# KiCad board gnss_card_rev1.kicad_pcb (continued)
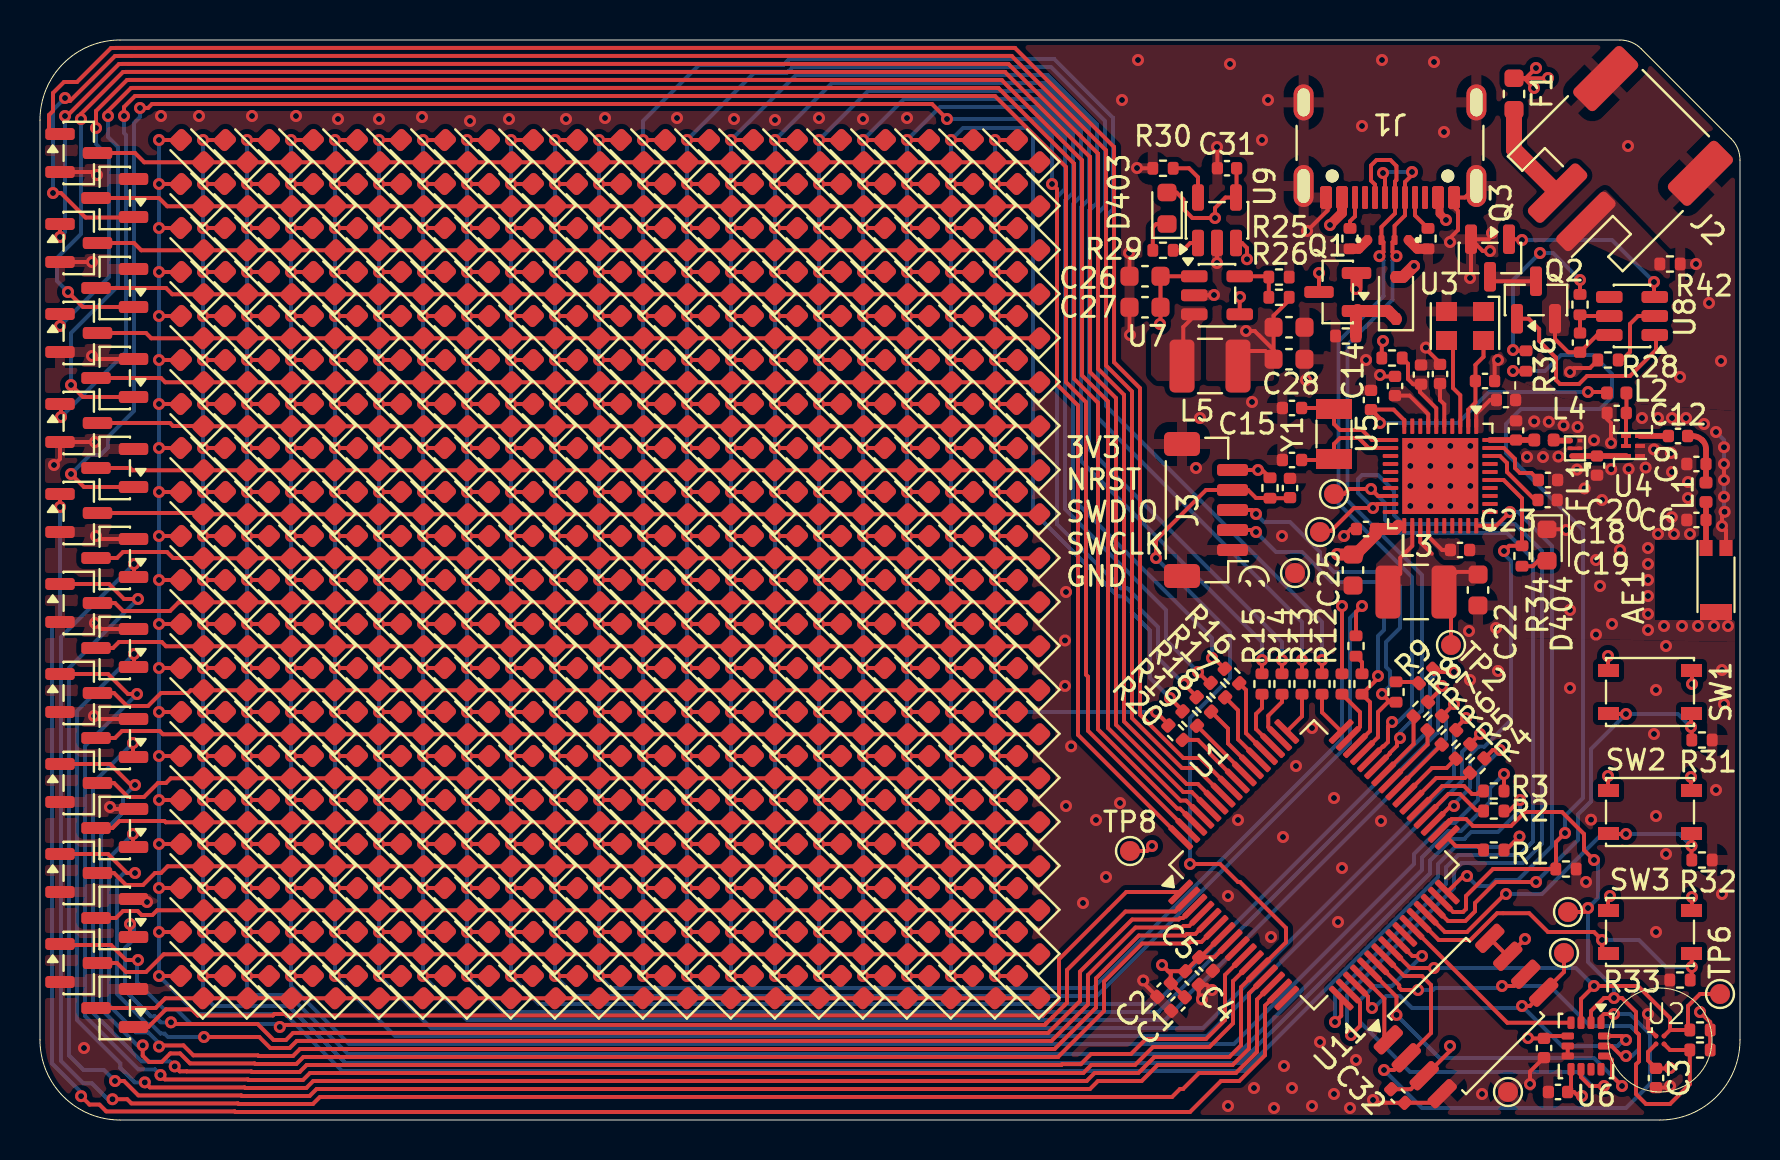
[diagram p0: board, top side]
## Via types (continued)
v1: diameter 0.6, hole 0.3, Top to Bottom, 730 vias

## Routing (per net, layer and track width the routed paths; a pad name or vN(x,y) marks a point on that pad's centre or on a via; arc(x,y) is an arc through that point)
+3V3: length 155.5
  Top w0.2: SW2.1 82.55,16.5 v1(82.55,17.15) ; R25.2 62.46,41 61.67,40.21 C29.2 C28.2 ; SW2.1 78.4,16.5 v1(78.4,17.2) ; C5.1 58.02,8.14 U1.7 ; C5.1 58.72,8.14 U1.8 ; C5.1 C4.1 56.41,7.44 v1(56.1,7.75) 56.54,7.31 C2.1 C1.1 ; SW3.1 82.6,10.5 v1(82.6,11.15) ; v1(83,5.4) 83.51,4.89 R35.1 R38.1 ; v1(74.4,4.1) 74.42,4.08 C33.1 75.32,4.2 U6.5 ; SW3.1 78.4,10.5 78.4,11.1 v1(78.5,11.2) ; v1(82.6,21.8) 82.6,22.45 82.58,22.48 ; 67.91,29.71 U5.21 ; v1(74.25,9.05) 73.39,8.19 U11.7 U11.8 ; C28.2 61.67,38.51 60.74,39.45 v1(60.3,39.45) ; C28.2 61.26,38.45 60.16,38.45 59.9,38.19 L5.2 ; 78.42,22.48 78.4,22.5 v1(78.4,23.2) ; v1(81.5,2.6) 81.48,2.58 C3.1 80.4,2.98 80.4,3.4 U2.B1 ; C25.1 65.67,28.27 ; TP8.1 55.35,13.45 v1(55.6,13.7) ; U6.8 76.55,1.57 C34.1 76.7,1.4 76.9,1.2 v1(77.1,1.2) ; J3.5 61.11,32.5 R39.1 ; v1(67.15,38.95) 67.09,38.89 R21.2 ; v1(64.85,28.3) 64.88,28.27 ; C32.1 68.54,1.54 U11.3 69.26,2.21 70.5,3.45 v1(70.5,3.7) ; 66.78,29.38 C21.1
  Top w0.6: 65.78,28.27 66.78,29.28 C21.1 67.75,29.55 67.91,29.71 ; 64.88,28.27 C25.1
  Top w0.8: 65.67,28.27 65.78,28.27
  In2.Cu w0.2: 69.95,23.6 65.25,28.3 v1(64.85,28.3) 64.55,28.6 64.55,30.2 64.5,30.25 64.5,31.3 69.05,35.85 ; 69.95,23.6 70.35,23.2 v1(78.4,23.2) ; 69.95,23.6 69.95,23.15 56.1,9.3 v1(56.1,7.75) ; v1(78.4,23.2) 80.5,23.2 81.25,22.45 81.95,22.45 v1(82.6,21.8) ; v1(78.4,23.2) v1(78.4,17.2) ; v1(67.15,38.95) 66.55,39.55 60.4,39.55 v1(60.3,39.45) ; v1(78.5,11.2) 78.45,11.25 76.1,11.25 74.25,9.4 v1(74.25,9.05) 69.95,4.75 69.95,4.25 v1(70.5,3.7) 71,3.7 72.2,4.9 ; v1(78.5,11.2) 78.55,11.25 82.5,11.25 v1(82.6,11.15) ; v1(78.5,11.2) 78.4,11.3 v1(78.4,17.2) ; 77.1,1.4 v1(77.1,1.2) ; v1(78.4,17.2) 82.5,17.2 v1(82.55,17.15)
  In2.Cu w0.8: v1(81.5,2.6) 81.5,3.9 v1(83,5.4) 83,5.5 78.4,10.1 78.4,11.1 v1(78.5,11.2) ; 77.1,1.4 v1(74.4,4.1) 73.6,4.9 72.2,4.9
  vias: v1(60.9,32.5)
GND: length 60.8
  Top w0.18: FL1.5 FL1.2
  Top w0.2: C31.2 58.87,48.63 v1(58.85,48.65) ; v1(2.6,38.2) 2.75,38.05 Q9.2 ; v1(65.2,29.2) 65.55,29.55 C21.2 ; v1(54.85,47.6) 54.86,47.59 R30.2 ; C33.2 74.5,2.42 v1(74.5,1.8) ; v1(2.75,33.9) Q10.2 1,33.05 v1(0.7,32.75) ; v1(2.8,29.2) 2.95,29.05 Q13.2 ; v1(5.35,10.9) 5.2,11.05 Q21.2 ; D404.1 76.26,29.54 v1(76.3,29.5) ; Q3.2 72.44,44.04 72.6,44.2 v1(72.6,44.35) ; Q3.2 72.14,43.45 v1(72.5,43.45) ; Q3.2 71.55,42.15 v1(71.5,42.1) ; C27.1 54.48,39.27 v1(54.5,39.25) ; U6.6 U6.7 ; v1(2.85,47.25) 2.7,47.4 Q4.2 ; J1.S1 71.25,46.12 J1.A1 70.7,46.1 70.78,46.02 70.78,45.57 70.9,45.45 70.9,44.5 70.5,44.1 v1(70.5,43.9) ; v1(2.7,20.2) 2.85,20.05 Q17.2 ; Q19.2 3.6,15.55 v1(3.5,15.65) ; v1(76.5,37.4) 76.7,37.6 77.5,37.6 77.89,37.99 R28.1 ; v1(84.23,30.41) 84.1,30.28 v1(84.1,29.7) 84.3,29.5 AE1.2 ; v1(2.75,24.85) 3.05,24.55 Q15.2 ; v1(78.55,33.85) 78.55,34.85 78.36,35.05 78.36,35.35 ; C3.2 81.42,1.62 v1(81.5,1.7) ; 69,37.81 68.99,37.81 ; v1(58.6,6.5) 58.34,6.76 C4.2 57.94,6.19 v1(58.1,6.03) ; v1(66.65,1) 66.79,0.86 C32.2 69.65,0.86 U11.4 ; v1(58.7,41.25) 58.69,41.24 U7.2 ; C8.1 72.73,37.83 v1(72.9,38) ; U9.2 v1(58.85,42.85) ; v1(84.2,32) v1(84.2,32.8) ; U2.A1 80.4,4.6 v1(80.4,5.3) ; C26.1 54.48,43.33 v1(54.45,43.35) ; v1(69.3,38.62) 69.3,38.55 70,37.85 C7.2 ; C11.1 67.07,37.18 v1(67,37.25) ; v1(63.35,44.45) 64.38,45.48 64.38,46.02 64.3,46.1 J1.A12 ; Q6.2 v1(2.6,42.9) ; C2.2 55.16,6.86 v1(55.16,6.98) 55.18,7 55.2,7
  Top w0.5: R23.2 68.87,43.56 D401.1 ; R22.2 65.93,43.56 D402.1
  Bottom w0.2: v1(84.2,32.8) v1(84.2,33.64) 84.2,34 v1(83.8,34.4) ; v1(84.23,30.41) 84.2,30.44 v1(84.2,31.16) v1(84.2,32)
  vias: v1(2.2,3.6) v1(6.05,50.2) v1(7.95,50.2) v1(10.6,50.2) v1(12.8,50.2) v1(14.9,50.05) v1(16.95,50.05) v1(19.1,50.15) v1(21.5,49.95) v1(23.45,50.05) v1(26.3,50.05) v1(28.25,50.1) v1(31.85,50.1) v1(34.7,50.05) v1(36.75,50) v1(38.95,50.1) v1(41.15,50.05) v1(43.35,50.1) v1(51.25,23.98) v1(51.25,21.7) v1(51.3,26.4) v1(51.3,15.7) v1(51.55,18.68) v1(52.15,10.85) v1(52.8,15) v1(53.3,12.15) v1(54,15.85) v1(54.1,51) v1(54.9,53) v1(57.8,32.6) v1(58,35.1) v1(59.4,11.2) v1(59.4,0.7) v1(59.5,52.8) v1(59.9,15) v1(60.6,35.9) v1(60.7,1.6) v1(61.1,49) v1(61.4,51) v1(61.55,9.15) v1(61.7,0.6) v1(62.1,29.2) v1(62.15,14.15) v1(62.2,2.7) v1(62.6,1.6) v1(62.8,17.7) v1(63.3,37) v1(63.6,19.6) v1(63.6,0.7) v1(64,3.9) v1(64.7,16.1) v1(64.7,1.3) v1(64.9,9.9) v1(65.1,12.6) v1(65.5,0.6) v1(65.8,3) v1(66.1,49.7) v1(66.3,38) v1(67.05,14.95) v1(67.1,53) v1(68.52,33.7) v1(68.52,32.7) v1(68.52,31.7) v1(68.52,30.7) v1(69.52,33.7) v1(69.52,32.7) v1(69.52,31.7) v1(69.52,30.7) v1(69.7,52.9) v1(70.2,49.4) v1(70.52,33.7) v1(70.52,32.7) v1(70.52,31.7) v1(70.52,30.7) v1(71.52,33.7) v1(71.52,32.7) v1(71.52,31.7) v1(71.52,30.7) v1(71.45,24.45) v1(71.5,22) v1(72.1,1.3) v1(72.8,24.6) v1(72.9,22.45) v1(74.35,33.15) v1(74.71,34.93) v1(75.15,33.15) v1(75.44,34.91) v1(75.92,33.17) v1(76.18,34.73) v1(76.5,25.5) v1(76.5,21.6) v1(76.85,32.52) v1(76.88,34.65) v1(77.23,31.58) v1(77.3,11.9) v1(77.55,15.02) v1(77.7,33.99) v1(77.8,28) v1(77.8,24.27) v1(78,26.7) v1(78.1,31) v1(78.56,32.54) v1(78.6,24.8) v1(79,28.5) v1(79.4,48.7) v1(79.43,32.55) v1(80.1,35.1) v1(80.28,32.62) v1(80.4,28.6) v1(80.4,27.8) v1(80.4,27) v1(80.4,26.2) v1(80.4,25.3) v1(80.4,24.5) v1(80.7,33.53) v1(80.7,19.3) v1(80.8,21.5) v1(80.8,15.2) v1(80.8,9.4) v1(80.9,35.1) v1(80.9,29.3) v1(81.2,24.7) v1(81.3,23.7) v1(81.3,13.3) v1(81.55,33.35) v1(81.6,35.1) v1(81.6,32.4) v1(81.59,30.14) v1(81.7,29.3) v1(82,37.15) v1(82.1,24.7) v1(82.3,35.1) v1(82.4,31.9) v1(82.4,31.1) v1(82.5,29.3) v1(82.8,42.8) v1(82.9,24.7) v1(83.2,34.8) v1(83.45,40.85) v1(83.7,24.7) v1(83.8,16.5) v1(84.05,37.95) v1(84.1,22.5) v1(84.1,11.3) v1(84.2,20.8) v1(84.4,24.7)
VBUS: length 19.8
  Top w0.2: C31.1 59.83,46.16 59.8,46.12 59.27,46.12 58.75,45.6 v1(58.75,45.1) 57.62,45.1 57.17,45.55 57.17,46.03 56.82,46.38 D403.2
  Top w0.4: v1(70.3,45) 69.98,45.32 69.98,46.02 69.9,46.1 J1.A4
  Top w0.5: J1.A9 65.1,45.35 v1(64.5,44.75)
  Top w0.6: D405.2 68.15,42.15 v1(68.7,42.7)
  In2.Cu w0.2: v1(70.3,45) 64.8,45 64.65,44.85 64.6,44.85 v1(64.5,44.75) 64.55,44.8 64.55,45.05 64.5,45.1
  In2.Cu w0.6: v1(68.7,42.7) 68.7,43.4 v1(70.3,45)
1PPS: length 21
  Top w0.2: v1(73.2,28.45) 73.46,28.71 R34.2 74.1,31.08 73.18,32 U5.35 ; U1.35 70.53,15.7 v1(70.7,15.7)
  Bottom w0.2: v1(70.7,15.7) 70.7,15.8 71.5,16.6 71.5,18.23 71.93,18.67 72.22,18.67 73.55,20 73.55,27.95 73.2,28.3 v1(73.2,28.45)
+BATT: length 37.3
  Top w0.2: v1(75.4,52.1) 75.39,52.09 F1.2 ; F1.2 74.21,52.09 v1(74.7,51.6) ; F1.2 74.29,52.09 v1(74.8,52.6) ; Q1.3 v1(63.95,42.35) ; v1(60.35,43.04) 60.35,43.6 60.1,43.85 U9.3 ; R36.1 73.69,38.46 v1(73.65,38.5) ; R27.1 v1(77,42)
  In2.Cu w0.2: 67,41.7 66.55,42.15 65,42.15 64.8,42.35 v1(63.95,42.35) 61.1,42.35 60.41,43.04 v1(60.35,43.04) ; v1(74.7,51.6) 73.75,50.65 73.75,46.4 71.15,43.8 71.15,43.63 70.77,43.25 70.6,43.25 69.05,41.7
  In2.Cu w0.8: 69.05,41.7 67,41.7
  Bottom w0.2: v1(73.65,38.5) 73.65,42 v1(75,43.35) 75.65,43.35 v1(77,42)
ANT_BIAS: length 15.1
  Top w0.2: U5.10 68.21,34.99 67.68,35.52 C14.2 67,35.07 v1(67,34.85) ; L2.2 78.3,36.4 v1(77.4,36.4)
  Bottom w0.2: v1(77.4,36.4) 72.45,36.4 70.9,34.85 v1(67,34.85)
COL1: length 2.1
  Top w0.2: 72.18,13.4 71.88,13.7 70.79,13.7 U1.33
COL2: length 3.7
  Top w0.2: 72.18,15.4 72.09,15.49 71.81,15.49 71,16.3 70.42,16.3 U1.36
COL3: length 4
  Top w0.2: 72.21,16.65 71.86,16.3 71.6,16.3 71.2,16.7 70.11,16.7 U1.37
COL4: length 3.5
  Top w0.2: U1.38 69.81,17.1 71.24,17.1 R4.1
COL5: length 3.3
  Top w0.2: R5.1 70.33,17.6 69.6,17.6 U1.39
COL6: length 3.1
  Top w0.2: U1.40 67.91,16.6 R6.1
COL7: length 3.3
  Top w0.2: U1.41 67.55,16.95 69.38,18.78 R7.1
COL8: length 3.5
  Top w0.2: R8.1 68.68,18.8 U1.42
COL9: length 1.1
  Top w0.2: 67.9,21.9 68.88,21.9 R9.1
COL10: length 1
  Top w0.2: R41.1 66.1,22.89 R10.1
COL11: length 2.8
  Top w0.2: U1.47 66,19.66 66,20.39 R11.1
COL12: length 2.3
  Top w0.2: R12.1 64.1,20.39 U1.48
COL13: length 2.2
  Top w0.2: R13.1 63.1,20.19 U1.49
COL14: length 2.7
  Top w0.2: R14.1 62.1,20.9 61.41,20.21 61.41,19.64 U1.50
COL15: length 3
  Top w0.2: U1.51 60.8,19.55 60.8,20.3 61.1,20.6 R15.1
COL16: length 4
  Top w0.2: U1.52 60.3,19.34 60.3,21.5 R16.1
COL17: length 3.8
  Top w0.2: U1.53 59.9,19.04 59.9,20.49 R17.1
COL18: length 3.6
  Top w0.2: R18.1 59.4,19.57 59.4,18.83 U1.54
COL19: length 3.4
  Top w0.2: U1.55 60.22,17.34 R19.1
COL20: length 3.6
  Top w0.2: U1.56 58.5,18.31 58.5,18.4 57.9,19 R20.1
FLASH_CS: length 3.7
  Top w0.2: U11.1 67.22,4.21 67.22,6.06 U1.20
GNSS_EN: length 26.4
  Top w0.2: v1(73.5,30.4) 72.81,29.71 U5.30 ; U1.32 71.16,12.2 v1(71.35,12.2)
  Bottom w0.2: v1(73.5,30.4) 73.9,30.4 75.6,28.7 75.6,13.7 73.9,12 72.8,12 72.5,11.7 71.85,11.7 v1(71.35,12.2)
GNSS_RX: length 43.5
  Top w0.2: U1.17 65.06,5.21 v1(64.75,4.9) ; TP1.1 65.2,31.3 65.45,31.55 v1(66.55,31.55) 66.9,31.2 U5.18
  Bottom w0.2: v1(64.75,4.9) 64.75,6.25 70.3,11.8 70.3,12.63 70.92,13.25 73.97,13.25 74.65,13.93 74.65,28.05 73.35,29.35 67.9,29.35 67.25,30 67.25,30.85 v1(66.55,31.55)
GNSS_TX: length 50.2
  Top w0.2: v1(65.55,4.25) 66,4.7 66,5.86 U1.18 ; U5.19 66.85,30.8 v1(66.65,30.6) 65.7,30.6 64.55,29.45 64.05,29.45 TP3.1
  Bottom w0.2: v1(66.65,30.6) 65.9,31.35 65.9,32.05 66.1,32.25 66.9,32.25 67.7,31.45 67.7,30.25 68.15,29.8 73.75,29.8 75.1,28.45 75.1,13.82 74.13,12.85 71.08,12.85 70.7,12.47 70.7,11.6 65.35,6.25 65.35,4.45 v1(65.55,4.25)
LSM6DS3_CS: length 17.5
  Top w0.2: U1.21 67.82,6.16 v1(67.82,5.25) ; U6.12 78.4,3.2 78.6,3 78.6,2.2 v1(79.1,1.7)
  Bottom w0.2: v1(67.82,5.25) 69.98,3.1 77.7,3.1 v1(79.1,1.7)
LSM6DS3_INT1: length 9.9
  Top w0.2: U6.4 73.37,4.86 U1.27
LSM6DS3_INT2: length 21.9
  Top w0.2: v1(78.2,1.7) 77.5,1.7 77.05,2.15 U6.9 ; v1(69.1,8.2) 68.61,8.2 U1.25
  Bottom w0.2: v1(69.1,8.2) 67.6,6.7 66.7,6.7 66,6 66,4.9 68.5,2.4 76.9,2.4 77.6,1.7 v1(78.2,1.7)
RFOUT: length 2.2
  Top w0.29: L4.1 C24.2 U5.40
ROW1: length 93.1
  Top w0.2: 0.45,49.3 0.45,50.25 0.65,50.45 0.65,51.35 1.2,51.9 1.85,51.9 3.55,53.6 3.75,53.6 3.76,53.6 4.75,53.6 48.74,53.6 48.75,53.6 53.7,48.65 53.7,48.64 53.7,37.89 55,36.59 55,20.27 57.17,18.1 58.01,18.1 U1.57
ROW2: length 99.6
  Top w0.2: v1(1.25,51.1) 1.4,50.95 1.5,50.95 3.75,53.2 3.92,53.2 3.92,53.2 4.58,53.2 48.58,53.2 48.58,53.2 53.3,48.48 53.3,48.48 53.3,37.72 54.6,36.43 54.6,20.1 57.1,17.6 57.8,17.6 U1.58 ; v1(0.65,46.35) 1.05,46.35 2.27,45.12 4.65,45.12 Q5.1
  Bottom w0.2: v1(0.65,46.35) 0.65,50.5 v1(1.25,51.1)
ROW3: length 96.6
  Top w0.2: v1(1.25,50.2) 1.35,50.2 3.95,52.8 4.08,52.8 4.09,52.8 4.42,52.8 48.41,52.8 48.42,52.8 52.9,48.32 52.9,48.31 52.9,37.56 54.2,36.26 54.2,19.93 57.33,16.8 57.89,16.8 U1.59 ; Q6.1 v1(1,44.15)
  Bottom w0.2: v1(1,44.15) 1.25,44.4 v1(1.25,50.2)
ROW4: length 101.6
  Top w0.2: 58.45,15.55 U1.60 57.59,16.4 57.16,16.4 53.8,19.76 53.8,36.09 52.5,37.39 52.5,48.15 52.5,48.15 48.25,52.4 4.25,52.4 4.25,52.4 4.15,52.4 2.05,50.3 v1(2.05,50.05) ; v1(1.4,41.4) 2.15,40.65 Q7.1
  Bottom w0.2: v1(1.4,41.4) 0.85,41.95 0.85,43.1 2.05,44.3 v1(2.05,50.05)
ROW5: length 99.7
  Top w0.2: Q8.1 v1(1,39.7) ; v1(2.8,49.6) 2.8,50.45 4.35,52 4.42,52 4.42,52 48.08,52 48.08,52 52.1,47.98 52.1,37.23 53.4,35.93 53.4,19.6 57.03,15.97 57.31,15.97 U1.61
  Bottom w0.2: v1(1,39.7) 3.45,42.15 3.45,48.15 2.8,48.8 v1(2.8,49.6)
ROW6: length 104.2
  Top w0.2: Q9.1 2.15,36.15 v1(1.55,36.75) ; v1(3.4,50.2) 3.4,50.45 4.55,51.6 4.58,51.6 4.58,51.6 47.92,51.6 47.92,51.6 51.7,47.82 51.7,37.06 52.9,35.86 52.9,19.53 56.86,15.57 57,15.57 U1.62
  Bottom w0.2: v1(3.4,50.2) 3.4,49.15 3.9,48.65 3.9,41.7 1.55,39.35 v1(1.55,36.75)
ROW7: length 102.1
  Top w0.2: U1.63 57.39,14.48 52.4,19.46 52.4,22.17 52.3,22.27 52.3,35.89 51.3,36.89 51.3,47.65 47.75,51.2 4.75,51.2 4.2,50.65 v1(4.2,50.2) ; v1(1.05,35.15) 1.05,35.75 Q10.1
  Bottom w0.2: v1(4.2,50.2) 4.2,49.35 4.3,49.25 4.3,38.4 v1(1.05,35.15)
ROW8: length 107.5
  Top w0.2: U1.64 51.9,19.26 51.9,35.73 50.85,36.78 50.85,46.55 v1(50.6,46.8) ; v1(1.55,32.3) 2.2,31.65 Q11.1 ; v1(45.35,50.05) 44.6,50.8 5.6,50.8 5.4,50.6 v1(5,50.6)
  Bottom w0.2: v1(50.6,46.8) 50.6,49.2 49.75,50.05 v1(45.35,50.05) ; v1(5,50.6) 5,50.15 4.7,49.85 4.7,35.45 3.4,34.15 3.4,33.63 3.02,33.25 2.5,33.25 v1(1.55,32.3)
ROW9: length 95.1
  Top w0.2: v1(2.05,1.19) 2.48,0.77 2.97,0.77 3.31,0.43 9.73,0.43 9.77,0.4 57.5,0.4 59.05,1.95 59.96,1.95 61.25,3.24 61.25,5.71 U1.15 ; Q12.1 v1(1,30.65)
  Bottom w0.2: v1(2.05,1.19) 2.05,1.38 0.6,2.83 0.6,24.75 1,25.15 v1(1,30.65)
ROW10: length 92.6
  Top w0.2: 57.15,1.55 57.95,2.35 59.8,2.35 60.85,3.4 60.85,6.02 U1.14 ; 57.15,1.55 57,1.55 56.6,1.15 13.99,1.15 13.64,0.8 9.93,0.8 9.9,0.83 4.57,0.83 4.36,1.04 v1(3.62,1.04) ; 57.15,1.55 57.1,1.55 ; Q13.1 4.7,27.18 v1(4.7,27.8)
  Bottom w0.2: v1(4.7,27.8) 1.05,24.15 1.05,15.25 1.05,15.25 1.05,2.95 2.17,1.83 2.6,1.83 3.39,1.04 v1(3.62,1.04)
ROW11: length 93.2
  Top w0.2: v1(3.75,1.95) 4.2,1.95 4.92,1.23 10.07,1.23 10.1,1.2 13.48,1.2 13.83,1.55 52.5,1.55 52.9,1.95 55.08,1.95 55.88,2.75 59.63,2.75 60.45,3.57 60.45,6.33 U1.13 ; Q14.1 3.45,26.8 4.2,26.05 v1(4.9,26.05)
  Bottom w0.2: v1(3.75,1.95) 3.2,2.5 2.18,2.5 1.45,3.23 1.45,15.08 1.45,15.08 1.45,22.6 v1(4.9,26.05)
ROW12: length 120.2
  Top w0.2: v1(4.7,23.3) 4.7,22.68 Q15.1 ; C35.1 62.47,31.09 R39.2 61.49,31.1 60.8,31.1 60.4,31.5 J3.4 58.3,31.5 55.8,29 v1(55.8,28.1) ; v1(5.24,1.88) 5.49,1.63 10.23,1.63 10.26,1.6 13.31,1.6 13.66,1.95 52.33,1.95 52.73,2.35 54.92,2.35 55.72,3.15 59.46,3.15 60.05,3.74 60.05,6.64 U1.12 62.3,8.89 62.3,9.6 60,11.9 59.9,11.9 59,12.8 v1(57.5,12.8)
  Bottom w0.2: v1(57.5,12.8) 57.5,20.1 59.5,22.1 59.5,24.4 v1(55.8,28.1) ; v1(5.24,1.88) 4.74,1.88 4.02,2.6 4.02,2.83 1.85,5 1.85,20.45 v1(4.7,23.3)
ROW13: length 84.8
  Top w0.2: Q16.1 3.4,22.3 4.4,21.3 v1(4.85,21.3) ; v1(6.02,2.25) 6.24,2.03 10.4,2.03 10.43,2 13.15,2 13.5,2.35 52.17,2.35 52.57,2.75 54.75,2.75 55.65,3.65 58.47,3.65 59.65,4.83 59.65,6.94 U1.11
  Bottom w0.2: v1(6.02,2.25) 5.74,2.53 4.92,2.53 2.25,5.2 2.25,10.23 2.25,10.23 2.25,14.75 ; 2.25,14.75 2.25,18.7 v1(4.85,21.3)
ROW14: length 77.7
  Top w0.2: U1.10 59.25,7.25 59.25,5 58.3,4.05 55.3,4.05 54.55,3.3 52.55,3.3 52.04,2.79 51.11,2.79 51.07,2.75 50.4,2.75 13.33,2.75 12.98,2.4 10.59,2.4 10.56,2.43 7.34,2.43 7.34,2.43 6.98,2.43 v1(6.74,2.68) ; v1(4.65,18.85) 4.65,18.17 Q17.1
  Bottom w0.2: v1(4.65,18.85) 2.65,16.85 2.65,14.92 2.65,14.92 2.65,13.05 ; v1(6.74,2.68) 6.49,2.93 5.08,2.93 2.65,5.37 2.65,10.07 2.65,10.07 2.65,13.15
ROW15: length 77.3
  Top w0.2: U1.6 58.07,8.9 57.51,8.9 57.43,8.82 55.11,8.83 53.2,6.92 53.2,5.45 50.9,3.15 50.57,3.15 13.17,3.15 12.82,2.8 10.76,2.8 10.73,2.83 7.5,2.83 7,3.33 6.52,3.33 6.09,2.9 5.45,2.9 5.13,3.22 v1(5.13,3.73) ; Q18.1 3.5,17.8 4.55,16.75 v1(4.75,16.75)
  Bottom w0.2: v1(5.13,3.73) 4.87,3.73 3.05,5.55 3.05,9.9 3.05,9.9 3.05,14.28 4.15,15.38 4.15,16.15 v1(4.75,16.75)
ROW16: length 69.6
  Top w0.2: U1.5 57.76,9.3 57.34,9.3 57.26,9.22 54.94,9.23 52.8,7.08 52.8,5.61 50.74,3.55 13,3.55 12.65,3.2 10.93,3.2 10.89,3.23 7.67,3.23 7.17,3.73 6.01,3.73 v1(5.95,3.67) ; Q19.1 4.65,13.67 v1(4.65,14.3)
  Bottom w0.2: v1(5.95,3.67) 5.95,3.84 5.4,4.38 4.8,4.38 3.45,5.74 3.45,9.73 3.45,9.74 3.45,13.1 v1(4.65,14.3)
ROW17: length 69.9
  Top w0.2: U1.4 57.46,9.7 57.17,9.7 57.1,9.62 54.78,9.62 52.4,7.25 52.4,5.78 50.57,3.95 12.84,3.95 12.48,3.6 11.51,3.6 10.97,4.15 v1(8.2,4.15) ; v1(4.75,12.35) 4.35,12.35 3.4,13.3 Q20.1
  Bottom w0.2: v1(8.2,4.15) 6.39,4.15 6.22,4.32 6.03,4.32 5.57,4.78 5.37,4.78 3.85,6.3 3.85,9.57 3.85,9.57 3.85,12.01 4.2,12.35 v1(4.75,12.35)
ROW18: length 62.7
  Top w0.2: Q21.1 4.5,9.33 4.5,9.69 4.61,9.8 v1(4.5,9.8) ; U1.3 57.15,10.1 57.01,10.1 56.93,10.02 54.61,10.02 52,7.41 52,5.94 50.41,4.35 12.65,4.35 12.3,4 11.68,4 10.88,4.8 6.63,4.8 v1(6.55,4.88)
  Bottom w0.2: v1(6.55,4.88) 6.04,4.88 5.74,5.18 5.54,5.18 4.25,6.47 4.25,8.6 4.7,9.05 4.7,9.71 4.61,9.8 v1(4.5,9.8)
ROW19: length 62.8
  Top w0.2: v1(4.9,8) 4.3,8 3.55,8.75 0.6,8.75 ; v1(11.99,4.65) 12.09,4.75 50.24,4.75 50.31,4.83 50.64,5.15 51.22,5.74 51.22,5.74 51.35,5.86 51.35,7.5 54.27,10.42 56.77,10.42 U1.2
  Bottom w0.2: v1(11.99,4.65) 11.84,4.8 7.55,4.8 6.82,5.53 6.2,5.53 4.85,6.89 4.85,7.95 v1(4.9,8)
ROW20: length 56.6
  Top w0.2: U1.1 54.31,11.4 50.95,8.04 50.95,6.03 50.82,5.9 50.82,5.9 50.47,5.55 50.15,5.23 12.33,5.23 12.26,5.3 11.72,5.3 11.65,5.23 7.89,5.23 7.58,5.53 6.3,5.53 5.41,4.65 Q23.1
SCL: length 22.6
  Top w0.2: v1(69.7,7.6) 68.51,7.6 U1.24 ; TP6.1 83,6.3 82.4,5.7 82.4,4.59 R35.2 81.5,4.5 ; U6.3 77.05,6.05 v1(77.7,6.7) 79.9,6.7 81.5,5.1 81.5,4.5 ; 81.5,4.5 U2.A2
  Bottom w0.2: v1(69.7,7.6) 76.8,7.6 v1(77.7,6.7)
SDA: length 32.7
  Top w0.2: 81.22,3.8 U2.B2 81.5,3.5 R38.2 82.49,1.79 81.5,0.8 80.3,0.8 79.8,1.3 79.8,2.78 79.95,2.93 79.95,4.27 79.8,4.42 79.8,5.4 79.1,6.1 78.2,6.1 77.55,5.45 U6.2 ; U1.34 70.58,15.05 71.3,15.05 71.65,14.7 73.55,14.7 74.25,15.4 76.1,15.4 77.2,14.3 77.2,13.5 v1(77.7,13) ; TP5.1 77.2,10.4 v1(77.4,10.6)
  Bottom w0.2: v1(78.7,6.1) 78.7,6.6 77.4,7.9 v1(77.4,10.6) 77.9,11.1 77.9,12.8 v1(77.7,13)
SPI_MISO: length 28.8
  Top w0.2: U6.1 78.05,5.15 78.2,5.3 v1(78.7,5.3) ; U1.23 68.2,7.2 69.1,7.2 69.55,6.75 69.55,4.35 U11.2 67.7,2.5 v1(67.2,2.5)
  Bottom w0.2: v1(78.7,5.3) 79.48,5.3 80.5,4.28 80.5,1.8 79.3,0.6 69.1,0.6 v1(67.2,2.5)
SPI_MOSI: length 21.1
  Top w0.2: v1(79.3,4) 79.1,4.2 U6.14 ; v1(66.6,5.6) 66.42,5.6 66.4,5.62 66.4,6.17 U1.19 ; TP4.1 76.2,7.41 U11.5 74.49,5.7 v1(74.1,5.7)
  Bottom w0.2: v1(66.6,5.6) 66.55,5.55 66.55,5.45 67.3,6.2 68,6.2 68.6,5.6 74,5.6 v1(74.1,5.7) 76.1,3.7 78.88,3.7 79.18,4 v1(79.3,4)
SPI_SCK: length 19.1
  Top w0.2: U6.13 78.58,3.7 79.08,3.2 v1(79.3,3.2) ; U11.6 73.7,6.7 v1(73.1,6.7) ; v1(68.9,6.5) 68.07,6.5 67.96,6.62 67.96,6.73 U1.22
  Bottom w0.2: v1(68.9,6.5) 69.65,6.5 69.75,6.6 73,6.6 v1(73.1,6.7) 75.5,6.7 77.5,4.7 79.52,4.7 79.95,4.27 79.95,3.55 79.6,3.2 v1(79.3,3.2)
SW1_IN: length 22.5
  Top w0.2: v1(74.8,11.9) 72.8,11.9 71.75,10.85 71.75,10.43 71.27,9.95 70.4,9.95 U1.30 ; SW1.2 82.55,20.3 v1(82.55,19.65) 82.59,19.61 R31.1 ; SW1.2 78.45,20.3 v1(79.3,20.3)
  Bottom w0.2: v1(82.55,19.65) 81.9,20.3 v1(79.3,20.3) 77.55,18.55 77.55,15.93 76.9,15.28 76.9,14 v1(74.8,11.9)
SW2_IN: length 18.2
  Top w0.2: R32.1 82.58,13.02 v1(82.58,13.7) SW2.2 ; v1(79.3,14.3) 78.45,14.3 SW2.2 78.4,14.35 ; U1.29 70.24,9.4 71.35,9.4 73.25,11.3 v1(73.3,11.3)
  Bottom w0.2: v1(82.58,13.7) 81.97,14.3 v1(79.3,14.3) 78.1,14.3 75.1,11.3 v1(73.3,11.3)
SW3_IN: length 17.9
  Top w0.2: SW3.2 82.59,8.31 v1(82.59,7.65) 82.59,7 ; SW3.2 78.1,8.65 v1(78.1,9) 77.7,9.4 75.4,9.4 74.46,10.34 72.86,10.34 71.52,9 69.94,9 U1.28
  Bottom w0.2: v1(82.59,7.65) 81.3,7.65 79.95,9 v1(78.1,9)
SWCLK: length 17.4
  Top w0.2: v1(66.9,22.2) 66.9,22.09 R41.2 ; v1(60.8,29.4) 60.7,29.5 J3.2 ; U1.46 66.5,19.45 66.5,20.89 66.21,21.18
  Bottom w0.2: v1(66.9,22.2) 66.9,24.2 67.2,24.5 67.2,26.6 66.9,26.9 64.6,26.9 63.1,28.4 61.8,28.4 v1(60.8,29.4)
SWDIO: length 20.4
  Top w0.2: v1(60.8,30.3) 60.6,30.5 J3.3 ; U1.45 66.9,19.14 66.9,20.4 67.39,20.89 R40.2 67.51,20.89 v1(67.1,21.3)
  Bottom w0.2: v1(67.1,21.3) 67.5,21.7 67.5,22.45 67.3,22.65 67.3,23.9 68,24.6 68,26.7 67.3,27.4 64.7,27.4 64,28.1 64,28.4 62.5,29.9 61.2,29.9 v1(60.8,30.3)
USB_D+: length 36.9
  Top w0.2: U1.44 67.14,18.67 67.17,18.67 67.4,18.9 67.4,19.7 v1(67.6,19.9) ; J1.B6 66.75,46.77 66.55,46.97 66.55,47.73 66.83,48 67.52,48 67.82,47.7 67.82,47 67.75,46.93 J1.A6 67.75,45.33 67.07,44.65 D402.2 67.17,43.9 67.17,43.39 v1(66.97,43.19)
  Bottom w0.2: v1(66.97,43.19) 67.17,42.99 67.17,41.19 64.92,38.94 64.92,30.82 68.6,27.15 68.6,20.62 67.88,19.9 v1(67.6,19.9)
USB_D-: length 36.5
  Top w0.2: v1(67.82,43.19) 67.62,43.39 67.62,43.9 D401.2 67.73,44.71 68.25,45.23 J1.B7 68.25,46.9 68.6,47.25 v1(68.6,47.4) ; J1.A7 67.25,47.35 v1(67.15,47.35) ; v1(68,19.1) 67.85,18.95 67.85,18.71 67.49,18.36 67.49,18.32 U1.43
  Bottom w0.2: v1(68,19.1) 68,19.38 69.1,20.48 69.1,27.25 65.38,30.98 65.38,38.76 67.62,41.01 67.62,42.99 v1(67.82,43.19) ; v1(68.6,47.4) 67.3,47.4 67.25,47.35 v1(67.15,47.35)
Net-(AE1-FEED): length 2.3
  Top w0.29: L1.2 C6.2 AE1.1
Net-(C12-Pad2): length 3
  Top w0.29: C12.2 82.62,34.2 arc(82.88,34.15) 83.1,34 83.13,33.97 arc(83.26,33.78) 83.3,33.56 C9.2 L1.1
Net-(D1-A): length 140.1
  Top w0.2: D13.2 v1(5.95,22.6) ; D3.2 v1(5.95,44.6) ; D9.2 v1(5.95,31.4) ; D8.2 v1(5.95,33.6) ; D17.2 v1(5.95,13.8) ; D6.2 v1(5.95,38) ; D7.2 v1(5.95,35.8) ; D11.2 v1(5.95,27) ; D1.2 v1(5.95,49) ; D16.2 v1(5.95,16) ; D15.2 v1(5.95,18.2) ; D12.2 v1(5.95,24.8) ; D10.2 v1(5.95,29.2) ; D19.2 v1(5.95,9.4) ; D2.2 v1(5.95,46.8) ; D5.2 v1(5.95,40.2) ; D4.2 v1(5.95,42.4) ; D20.2 v1(5.95,7.2) ; D18.2 v1(5.95,11.6) ; 73.2,13.4 v1(73.97,14.17) ; D14.2 v1(5.95,20.4)